# KiCad board MB1635_good_conversion.kicad_pcb (continued)
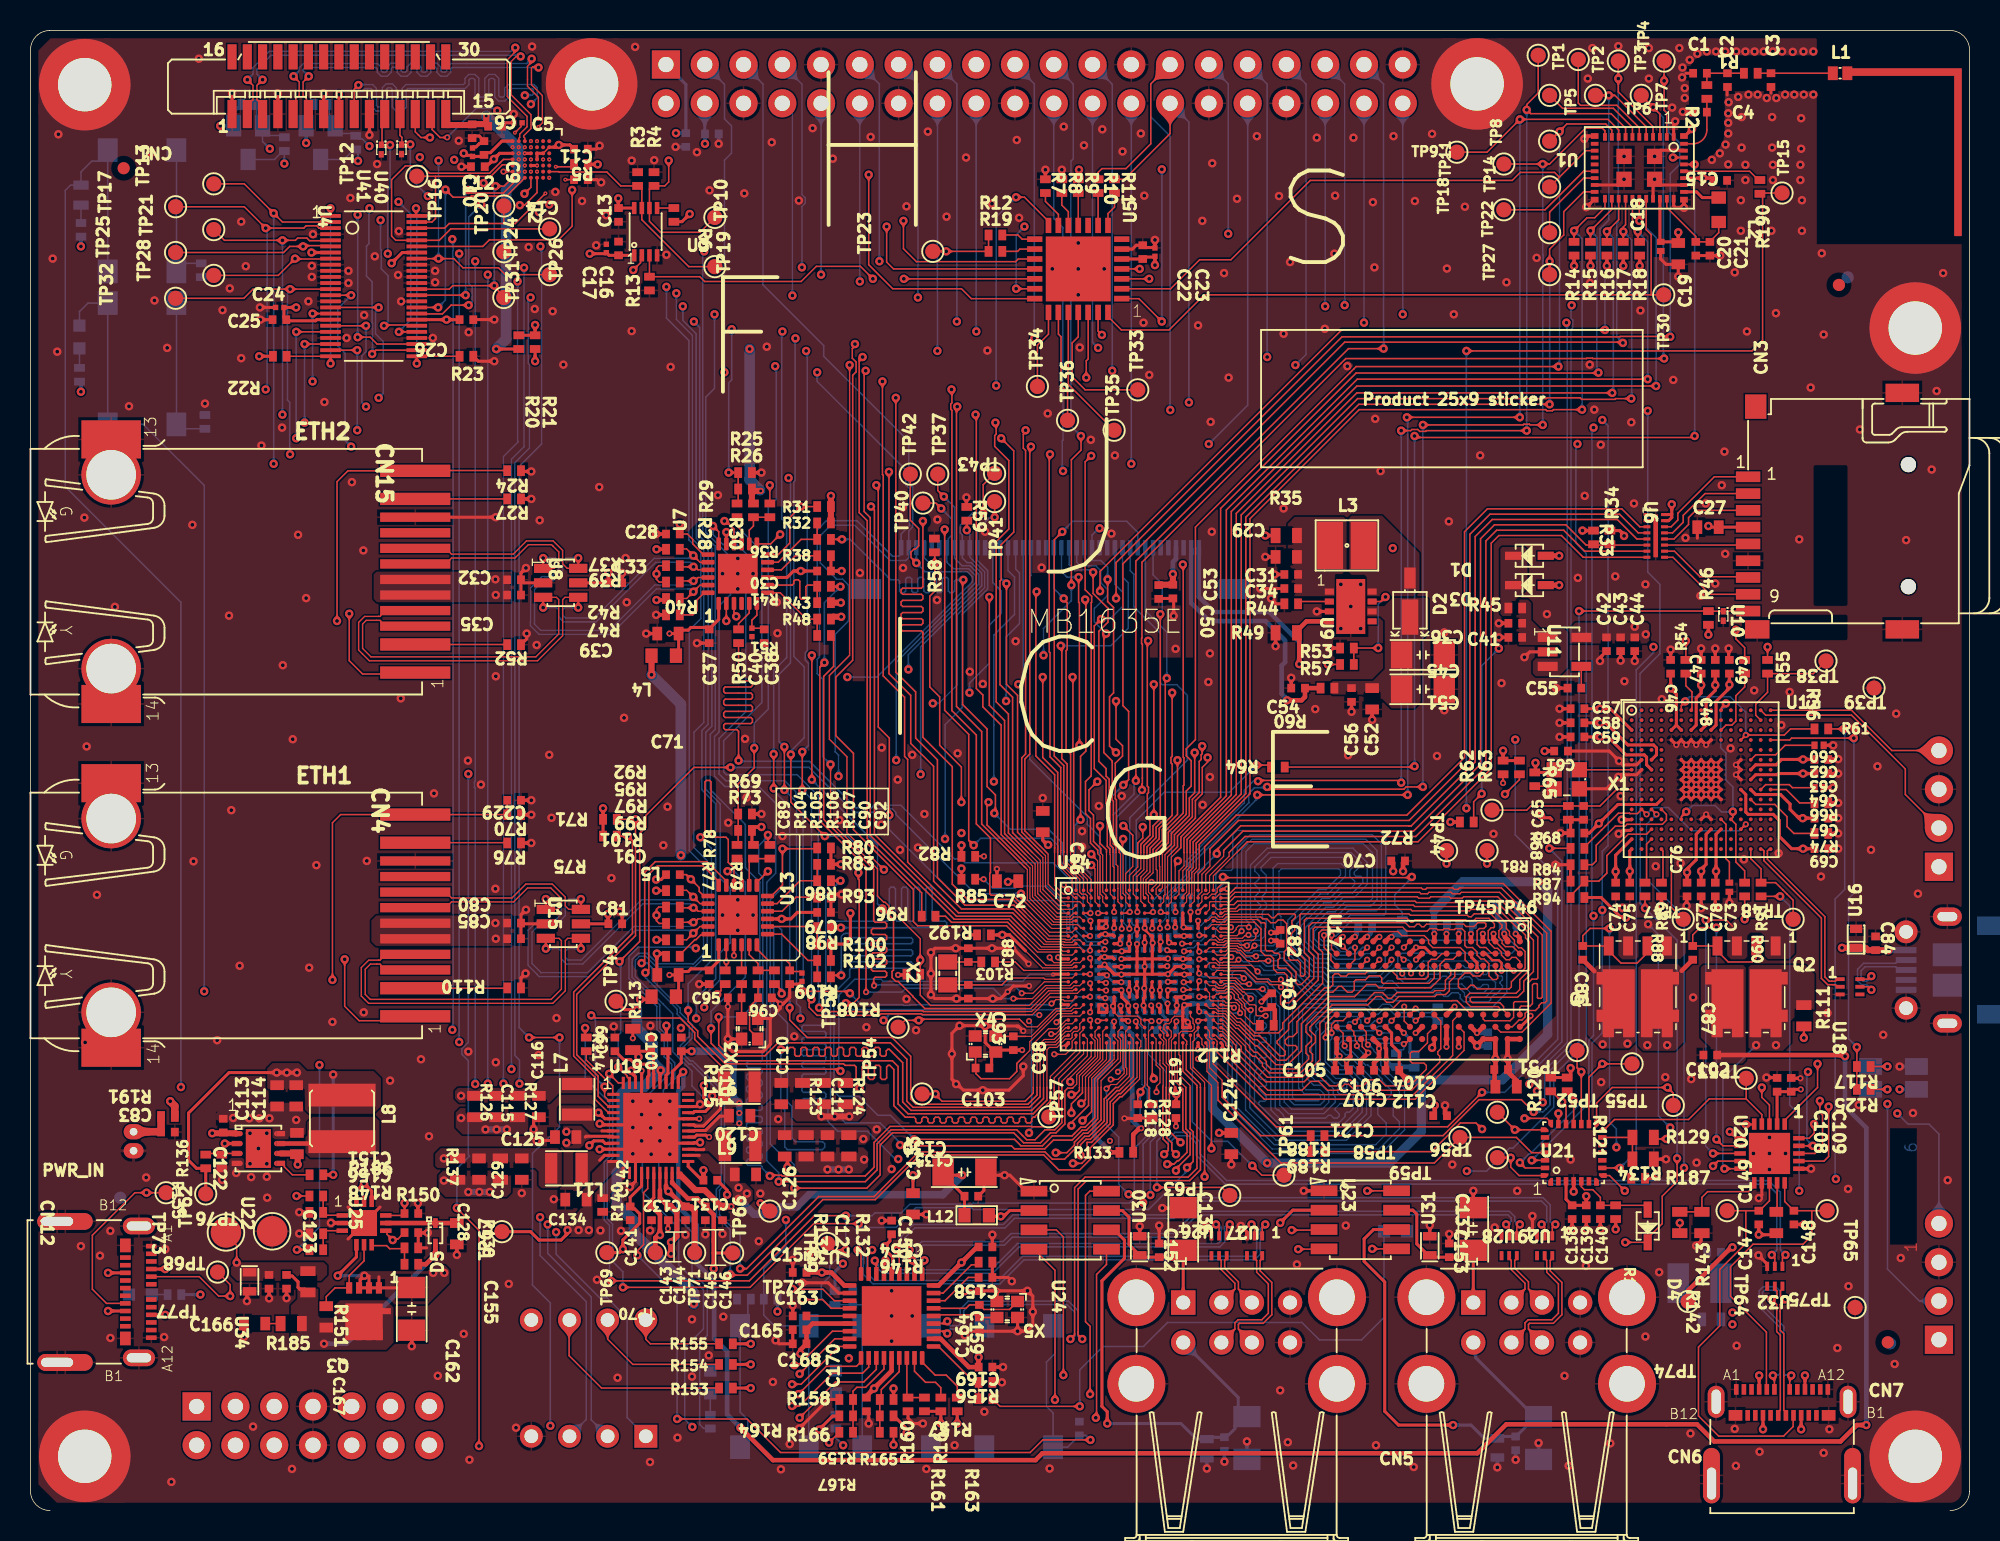
[diagram p0: board, top side]
## Routing (per net, layer and track width the routed paths; a pad name or vN(x,y) marks a point on that pad's centre or on a via; arc(x,y) is an arc through that point) (continued)
USB_D2_N: length 56.1
  Top Layer w0.075: 74.4,27.73 74.4,29.08 74.18,29.3 74.18,30.51 74.22,30.55 74.22,30.75 73.99,30.99 73.99,31.14 U14.Y13
  Top Layer w0.1: v1(75.03,23.35) 74.75,23.62 74.75,24.1 74.41,24.44 74.41,24.75 74.4,24.77 74.4,27.72 ; U32.2 114.25,16.55 v1(114.05,16.75)
  Bottom Layer w0.1: v1(114.05,16.75) 114.39,17.09 114.39,20.77 113.76,21.4 78.25,21.4 76.35,23.3 76.35,24.08 75.88,24.55 75.05,24.55 74.75,24.25 74.75,23.6 75,23.35 v1(75.03,23.35)
USB_D2_P: length 56.2
  Top Layer w0.075: 74.17,27.73 74.17,27.81 74.19,27.84 74.19,28.98 73.97,29.19 73.97,29.49 U14.AA13
  Top Layer w0.1: 74.17,27.73 74.17,24.68 74.18,24.66 74.18,24.34 74.52,24 74.52,23.62 v1(74.25,23.35) ; v1(114.95,16.75) 114.75,16.55 U32.1
  Bottom Layer w0.1: v1(74.25,23.35) 74.28,23.35 74.52,23.6 74.52,24.35 74.95,24.78 75.97,24.78 76.58,24.17 76.58,23.4 78.35,21.63 113.85,21.63 114.61,20.86 114.61,17.09 v1(114.95,16.75)
USB_DCONN_N: length 18.1
  Top Layer w0.1: CN7.A7 115.23,8.85 ; U32.5 114.25,14.53 114.33,14.45 114.33,14.45 114.39,14.38 114.39,14.1 114.15,13.85 v1(114.03,13.85) 114.37,13.5 114.37,11.73 114.61,11.49 114.61,8.74 114.61,6.57 114.47,6.44 CN7.B7
  Bottom Layer w0.1: v1(115.33,8.85) 115.29,8.88 114.96,8.88 114.84,9 114.84,9.23 114.84,12.06 113.45,13.45 113.45,14.3 113.59,14.44 114.21,14.44 114.37,14.27 114.37,14.02 114.29,13.94 114.11,13.94 v1(114.03,13.85)
USB_DCONN_P: length 18.8
  Top Layer w0.1: U32.6 114.75,14.53 114.62,14.4 114.62,14.05 114.83,13.85 v1(114.95,13.85) 114.6,13.5 114.6,13.03 114.6,11.82 114.84,11.59 114.84,8.83 114.84,6.57 114.97,6.44 CN7.B6 ; CN7.A6 114.23,8.85
  Bottom Layer w0.1: v1(114.13,8.85) 114.16,8.88 114.49,8.88 114.61,9 114.61,11.96 113.22,13.35 113.22,14.4 113.49,14.67 114.3,14.67 114.6,14.37 114.6,14.02 114.69,13.94 114.86,13.94 v1(114.95,13.85)
USB_DEV_HS_CN_N: length 6.2
  Top Layer w0.1: v1(120.58,34.13) 120.38,34.33 U18.5
  Bottom Layer w0.1: v1(120.58,34.13) 120.58,34.14 120.24,34.47 119.93,34.47 119.67,34.73 119.67,35.47 120.06,35.87 122.17,35.87 122.23,35.92 122.23,35.93 122.38,36.08 CN10.2
USB_DEV_HS_CN_P: length 5.4
  Top Layer w0.1: v1(120.58,35.03) 120.38,34.83 U18.6
  Bottom Layer w0.1: v1(120.58,35.03) 120.58,35.02 120.26,34.7 120.02,34.7 119.9,34.83 119.9,35.38 120.16,35.64 122.17,35.64 122.23,35.58 122.38,35.43 CN10.3
USB_DEV_HS_N: length 11.6
  Top Layer w0.1: U12.R14 113.35,43.32 113.45,43.32 113.54,43.23 113.53,42.59 117.3,38.82 117.3,34.87 117.71,34.46 118.22,34.46 118.27,34.4 118.27,34.4 118.35,34.33 U18.2
USB_DEV_HS_P: length 11.2
  Top Layer w0.1: U12.R15 113.95,43.32 113.85,43.32 113.77,43.23 113.77,42.69 117.53,38.92 117.53,34.97 117.81,34.69 118.22,34.69 118.27,34.75 118.27,34.75 118.35,34.83 U18.1
USB_PWR_CC1: length 68.6
  Top Layer w0.075: U14.AA4 69.48,29.75 68.13,28.4 68.1,28.38 v1(68.1,28.1)
  Top Layer w0.1: v1(17.44,17.09) R149.2
  Signal Layer 2 w0.09: 65.17,27.98 68.1,27.98 68.1,27.98 v1(68.1,28.1)
  Signal Layer 2 w0.1: 65.17,27.98 62.2,27.98 60.9,26.68 58.97,26.68 58.89,26.75 47.15,26.75 46.3,27.6 44.47,27.6 44.23,27.35 43.52,27.35 41.59,29.28 39.5,29.28 39.23,29.55 38.17,29.55 37.2,28.58 31.75,28.58 31.68,28.5 31.32,28.5 31.25,28.58 24.43,28.58 23.8,29.2 v1(18.93,29.2)
  Bottom Layer w0.1: v1(17.44,17.09) 18.93,18.57 v1(18.93,29.2)
USB_PWR_CC2: length 70.7
  Top Layer w0.075: U14.W9 71.73,31.4 71.73,29.06 71.8,28.99 71.8,28.59 71.13,27.92 70.76,27.92 70.49,27.65 v2(70.47,27.65)
  Top Layer w0.1: v1(17.42,20.61) R144.2
  Signal Layer 2 w0.1: v1(17.42,20.61) 25.61,20.61 28.54,17.68 38.77,17.68 39.22,18.13 39.65,18.13 40.15,17.63 41.4,17.63 41.82,18.05 42.16,18.05 42.44,18.33 42.44,18.34 42.68,18.58 49.75,18.58 51.35,20.18 71.38,20.18 v1(71.93,20.73)
  Bottom Layer w0.1: v2(70.47,27.65) 70.47,25.28 71.27,24.48 71.27,21.38 v1(71.93,20.73)
USBC_EN: length 25.3
  Top Layer w0.1: U20.20 116.5,24.4 116.83,24.73 v1(116.83,25.33) ; TP56.1 v1(97.23,24.95) U21.22
  Signal Layer 2 w0.1: v1(97.23,24.95) 99.67,24.95 100.42,25.7 112.15,25.7 112.17,25.73 112.53,25.73 112.55,25.7 116.45,25.7 v1(116.83,25.33)
USBC_INTn: length 25.8
  Top Layer w0.1: U20.19 v1(116.75,23.9) ; U21.17 v1(101.58,28.75) 101.3,29.03 TP51.1
  Signal Layer 2 w0.1: v1(116.43,28.75) 116.35,28.83 101.65,28.83 v1(101.58,28.75)
  Bottom Layer w0.1: v1(116.43,28.75) 116.35,28.68 116.35,24.3 v1(116.75,23.9)
USBDN1_N: length 43.1
  Top Layer w0.1: v1(96.65,18.75) 96.85,18.55 U28.2 ; v1(58.55,16.4) 58.4,16.25 U33.1
  Bottom Layer w0.1: v1(58.55,16.4) 58.5,16.4 58.27,16.63 58.27,17.19 58.47,17.4 63.8,17.4 64.32,17.92 74.97,17.92 76.43,19.38 96.77,19.38 96.99,19.17 96.99,18.98 96.76,18.75 v1(96.65,18.75)
USBDN1_P: length 43.8
  Top Layer w0.1: v1(97.55,18.75) 97.35,18.55 U28.1 ; v1(57.75,16.4) 57.9,16.25 U33.2
  Bottom Layer w0.1: v1(57.75,16.4) 57.8,16.4 58.03,16.63 58.04,17.29 58.37,17.63 63.7,17.63 64.22,18.15 74.87,18.15 76.33,19.61 96.87,19.61 97.22,19.26 97.22,18.98 97.44,18.75 v1(97.55,18.75)
USBDN2_N: length 48.1
  Top Layer w0.1: v1(57.58,17.08) 57.58,17.03 57.33,16.78 57.33,15.58 U33.3 ; v1(98.98,18.75) 99.18,18.55 U29.2
  Bottom Layer w0.1: v1(57.58,17.08) 57.47,17.08 57.27,17.28 57.27,17.87 57.92,18.52 63.82,18.52 64.45,19.15 74.9,19.15 76.03,20.28 98.97,20.28 99.31,19.94 99.31,18.93 99.25,18.87 99.22,18.87 99.1,18.75 v1(98.98,18.75)
USBDN2_P: length 48.8
  Top Layer w0.1: U29.1 99.68,18.55 v1(99.88,18.75) ; U33.4 56.9,16.85 56.73,17.03 v1(56.73,17.08)
  Bottom Layer w0.1: v1(56.73,17.08) 56.83,17.08 57.03,17.28 57.04,17.96 57.82,18.75 63.72,18.75 64.35,19.38 74.8,19.38 75.93,20.51 99.07,20.51 99.54,20.04 99.54,18.93 99.6,18.87 99.63,18.87 99.75,18.75 v1(99.88,18.75)
USBDN3_N: length 26.7
  Top Layer w0.1: v1(56,16.4) 56,16.35 55.9,16.25 U33.6 ; U26.2 77.85,18.55 v1(77.65,18.75)
  Bottom Layer w0.1: v1(56,16.4) 56,16.35 55.77,16.12 55.77,15.93 55.92,15.78 62.92,15.78 64.65,17.5 77.8,17.5 77.98,17.69 77.99,18.57 77.93,18.63 77.9,18.63 77.77,18.75 v1(77.65,18.75)
USBDN3_P: length 27.4
  Top Layer w0.1: v1(78.55,18.75) 78.35,18.55 U26.1 ; U33.7 55.4,16.25 55.3,16.35 v1(55.3,16.38)
  Bottom Layer w0.1: v1(78.55,18.75) 78.43,18.75 78.3,18.63 78.27,18.63 78.22,18.57 78.21,17.59 77.9,17.27 64.74,17.27 63.02,15.55 55.82,15.55 55.54,15.83 55.53,16.09 55.3,16.33 v1(55.3,16.38)
USBDN4_N: length 32.7
  Top Layer w0.1: v1(79.97,18.75) 80.17,18.55 U27.2 ; v1(55.13,17.08) 54.83,16.78 54.83,15.57 U33.8
  Bottom Layer w0.1: v1(55.13,17.08) 54.77,16.72 54.77,15.59 55.27,15.08 63.4,15.08 64.98,16.66 80.08,16.66 80.31,16.89 80.31,18.42 v1(79.97,18.75)
USBDN4_P: length 33.4
  Top Layer w0.1: U33.9 54.4,16.85 v1(54.17,17.08) ; v1(80.87,18.75) 80.67,18.55 U27.1
  Bottom Layer w0.1: v1(80.87,18.75) 80.54,18.42 80.54,18.13 80.54,16.79 80.18,16.43 65.07,16.43 63.49,14.85 55.18,14.85 54.54,15.49 54.53,16.72 v1(54.17,17.08)
uSD_DETECT: length 60.5
  Top Layer w0.1: v1(98.45,26.13) 97.65,26.93 94.87,26.93 92.52,24.57 R188.1 ; CN3.9 110.89,58.95 U10.1 109.91,58.94 R46.2 v1(101.43,58.95)
  Bottom Layer w0.1: v1(98.45,26.13) 99.07,26.13 99.25,26.3 99.25,26.3 99.52,26.58 99.52,28.83 101.43,30.73 v1(101.43,58.95)
VREF_DDR: length 117.8
  Top Layer w0.15: 89.65,28.75 89.65,28.85
  Top Layer w0.175: 76.47,32.84 76.55,32.76 v2(76.55,32.7)
  Top Layer w0.2: v1(38.8,17.13) 38.8,17.13 ; 38.8,17.13 38.57,16.9 TP69.1 ; 38.8,17.13 38.8,17.73 39.9,18.83 39.9,19.44 39.57,19.77 39.43,19.77 C141.2 39.28,20.53 40.03,21.28 U19.16 ; 89.65,28.85 89.65,30.02 89.15,30.52 89.15,31.3 88.75,31.7 ; 76.47,32.84 U14.T18
  Top Layer w0.3: 89.65,28.75 90.17,28.22 ; 91.94,37.26 91.94,37.77
  Signal Layer 4 w0.7: v1(81,22.78) 81,22.48 79.67,21.15 77.58,21.15 74.06,17.63 70.35,17.63 67.48,20.5 52.65,20.5 50.4,18.25 48.92,18.25 47.97,19.2 45.43,19.2 44.52,20.11 40.81,20.11 39.58,18.87 39.58,18.2 38.8,17.42 v1(38.8,17.13)
  Bottom Layer w0.3: C180.1 91.93,38.35 91.93,37.81 v2(91.94,37.79) ; v2(76.55,32.7) 76.9,32.7 C210.1
  Bottom Layer w0.4: 91.93,39.33 91.93,38.45 C180.1 ; 77.25,30.3 C210.1
  Bottom Layer w0.6: 91.1,28.22 96.4,28.22 99.37,31.2 99.37,40.63 v1(98.79,41.21) 93.81,41.21 91.93,39.33 ; 91.1,28.22 91.1,24.85 89.02,22.77 v1(81,22.77) 77.43,26.34 77.43,30.12 77.25,30.3 ; 91.1,28.22 90.2,28.22 v1(90.15,28.28)
WL_HOST_WAKE: length 70.1
  Top Layer w0.075: 75.75,43.13 75.75,42.21 75.47,41.93 U14.A16
  Top Layer w0.1: v1(105.37,84.53) U1.27 ; v1(106.48,73.7) 86.87,73.7 78.65,65.48 78.65,46.88 75.75,43.98 75.75,43.13
  Bottom Layer w0.1: v1(106.48,73.7) 106.48,83.43 v1(105.38,84.53)

## Copper pours and planes (outline as drawn; the poured copper is in the pictures)
1V8_PERIPH on Signal Layer 4: 40.2,86.8 39.12,85.71 37.81,85.71 36.92,86.58 28.98,86.58 28.25,85.85 28.25,78.13 27.7,77.58 26.9,77.58 26.9,77.75 23.1,81.55 23.1,85.38 23,85.38 21.8,86.58 16.59,86.58 15.81,85.8 15.81,75.47 9.6,69.26 9.6,14.12 11.69,12.03 42.93,12.03 44.3,13.4 44.3,15.75 44.65,16.1 46.33,16.1 46.7,15.73 46.7,-1.17 2.44,-1.18 -1.32,2.6 -1.33,95.65 0.48,97.45 39.82,97.45 40.18,97.03 40.2,97
3V3_AO on Top Layer: 15.5,28.98 15.85,29.33 17.58,29.32 18.1,28.8 22.47,28.8 22.95,28.33 22.95,26.5 22.45,26 18.25,26 17.98,26.27 17.98,27.1 17.65,27.43 15.73,27.43 15.5,27.65
3V3_AO on Signal Layer 3: 70.67,87.38 71.72,86.33 71.71,82.49 72.9,81.3 74.22,81.3 75.63,82.7 107.97,82.7 108.47,83.2 108.47,84.4 107.75,85.13 107.75,97.9 -1.55,97.9 -1.55,30.4 1.95,26.9 17.63,26.9 24.3,33.58 38.8,33.58 41.27,31.1 46.99,31.1 49.08,33.23 54.75,38.9 54.75,41.35 50.78,45.33 19.93,45.3 15.52,49.7 15.52,72.23 18.57,75.27 18.57,75.47 31.79,75.47 37.63,81.3 37.63,84.35 37.58,84.4 40.56,87.38
3V3_STLK on Top Layer: 105.87,58.2 106.03,58.05 106.02,57 105.85,56.83 100.85,56.83 100.75,56.93 100.75,57.75 101.2,58.2
3V3_STLK on Signal Layer 4: 97.8,43.71 100.97,40.55 100.97,38.73 101.76,37.94 117.84,37.94 120.75,35.02 120.75,28.08 121.97,26.85 127.23,26.85 127.3,26.93 127.3,58.77 104.52,58.78 97.8,52.05
3V3_SW on Signal Layer 3: 40.83,67.55 40.48,67.2 40.48,54.6 40.82,54.25 49.23,54.25 53.5,58.53 53.5,66.28 52.22,67.55
3V3_SW on Signal Layer 4: 52.98,17.4 60.57,17.4 62.52,15.45 62.52,7 60.25,4.73 51.73,4.73 49.77,6.67 49.78,14.2
5V_VIN on Bottom Layer (solid shape): 44.06,90.76 44.05,90.81 44.04,90.88 44.01,90.95 43.97,91.02 43.92,91.1 43.86,91.18 43.71,91.37 43.62,91.46 43.51,91.57 44.81,91.57 44.7,91.46 44.46,91.18 44.4,91.1 44.35,91.02 44.31,90.95 44.28,90.88 44.27,90.81 44.26,90.76
5V_VIN on Top Layer: 36.05,20.9 36.05,19.81 35.15,18.7 34.95,18.7 34.95,17.93 36.67,17.92 36.82,18.08 36.83,20.83 38.58,22.58 38.57,22.98 37.65,22.97 36.78,22.1 36.78,21.58
5V_VIN on Top Layer: 21.19,15.21 21.67,15.69 25.99,15.69 26.37,16.06 27.14,16.06 27.44,15.76 27.44,14.94 26.02,13.51 23.84,13.51 23.39,13.96 21.34,13.96 21.19,14.11
5V_VIN on Top Layer: 46.07,20 46.95,20 47.3,20.35 47.3,20.98 46.62,21.65 46.62,22.72 45.05,22.72 44.37,23.4 43.52,23.4 43.5,23.37 43.5,23.18 43.52,23.15 43.65,23.15 44.76,21.98 45.3,21.97 45.35,21.93 45.35,21.66 45.6,21.4 45.95,21.05 45.95,20.12
5V_VIN on Top Layer: 46.55,27.02 46.62,26.95 46.62,25.3 46.55,25.22 45.02,25.22 44.55,24.75 43.53,24.75 43.5,24.78 43.5,24.98 43.52,25 43.98,25 45.99,27.02
5V_VIN on Top Layer: 105,35.73 105.15,35.58 105.15,30.75 104.68,30.28 102.87,30.28 101.97,31.18 101.97,35.1 102.6,35.73
5V_VIN on Top Layer: 36.97,24.58 36.7,24.58 36.02,25.25 34.97,25.25 34.88,25.15 34.88,23.9 35.05,23.73 36,23.73 36.65,24.38 36.97,24.38
5V_VIN on Bottom Layer: 26.07,15.83 26.07,14.77 26.26,14.58 27.06,14.58 27.41,14.93 27.41,15.86 27.23,16.04 26.28,16.04
5V_VIN on Signal Layer 4: 125.9,99.48 128.97,96.4 128.97,3.83 121.92,-3.22 -0.85,-3.22 -2.52,-1.55 -2.53,99.48
GND on Top Layer: 126.78,5 124.9,6.88 121.55,6.88 120.23,5.55 120.23,1.85 122.03,0.05 125.65,0.05 126.78,1.18
GND on Top Layer: 6.82,94.9 4.95,96.78 1.6,96.78 0.27,95.45 0.27,91.75 2.07,89.95 5.7,89.95 6.82,91.08
GND on Top Layer: 126.78,78.95 124.9,80.83 121.55,80.83 120.23,79.5 120.23,75.8 121.85,74.18 125.83,74.18 126.78,75.13
GND on Top Layer: 13.73,25.02 13.52,25.23 12.3,25.23 12.15,25.38 12.15,26.02 12.35,26.23 13.48,26.23 14.57,27.32 17.61,27.32 17.98,26.95 17.98,26.27 18,26.27 18.47,25.8 18.13,25.45 18.13,24.58 17.88,24.33 16.2,24.33 16.12,24.25 16.13,21.95 15.57,21.4 12.45,21.4 12.05,21.8 12.05,22.77 12.25,22.97 12.99,22.97 13.14,23.12 13.64,23.12 13.73,23.2
GND on Top Layer: 6.88,5.05 5,6.93 1.65,6.93 0.32,5.6 0.32,1.9 2.12,0.1 5.75,0.1 6.88,1.23
GND on Top Layer: 1.7,97.83 127.43,97.83 127.88,97.38 127.88,1.15 123.98,-2.75 0.6,-2.75 -3.5,1.35 -3.5,97.54
GND on Top Layer: 40.02,94.95 38.15,96.83 34.8,96.83 33.47,95.5 33.47,91.8 35.27,90 38.9,90 40.02,91.13
GND on Top Layer: 98.02,94.95 96.15,96.83 92.8,96.83 91.47,95.5 91.47,91.8 93.27,90 96.9,90 98.02,91.13
GND on Bottom Layer: 4.95,6.83 6.82,4.95 6.82,1.6 5.5,0.28 1.8,0.28 0,2.07 0,5.7 1.12,6.83
GND on Bottom Layer: 1.7,97.83 127.43,97.83 127.88,97.38 127.88,1.15 123.85,-2.88 2.45,-2.87 -3.63,3.2 -3.62,97.53
GND on Bottom Layer: 120.18,5 122.05,6.88 125.4,6.88 126.73,5.55 126.73,1.85 124.93,0.05 121.3,0.05 120.18,1.18
GND on Bottom Layer: 120.13,79 122,80.88 125.35,80.88 126.68,79.55 126.68,75.85 124.88,74.05 121.25,74.05 120.13,75.18
GND on Bottom Layer: 91.48,94.95 93.35,96.83 96.7,96.83 98.03,95.5 98.03,91.8 96.23,90 92.6,90 91.48,91.13
GND on Bottom Layer: 5.05,96.68 6.92,94.8 6.92,91.45 5.6,90.13 1.9,90.13 0.1,91.93 0.1,95.55 1.22,96.68
GND on Bottom Layer: 33.48,94.95 35.35,96.83 38.7,96.83 40.03,95.5 40.03,91.8 38.23,90 34.6,90 33.48,91.13
GND on Signal Layer 1: 1.33,98.68 127.05,98.68 127.5,98.23 127.5,2 122.97,-2.53 1.37,-2.53 -5.2,4.05 -5.2,98.31
GND on Signal Layer 2: 1.22,98.5 126.95,98.5 127.4,98.05 127.4,1.83 123.9,-1.68 -4,-1.68 -4,98.21
VDD on Signal Layer 3 (solid shape): 27.09,5.71 27.05,5.74 26.99,5.78 26.92,5.81 26.84,5.83 26.75,5.85 26.65,5.87 26.41,5.89 26.28,5.89 26.13,5.9 27.04,6.81 27.05,6.66 27.07,6.29 27.09,6.19 27.11,6.1 27.13,6.02 27.16,5.95 27.2,5.89 27.23,5.85
VDD on Top Layer: 49.87,25.8 50.17,25.5 54.18,25.5 54.62,25.95 54.62,26.93 54.33,27.23 49.97,27.23 49.87,27.13
VDD on Signal Layer 3: 125.9,99.48 128.97,96.4 128.97,3.83 121.92,-3.22 0.37,-3.22 -3.75,0.9 -3.75,99.48
VDD on Signal Layer 4: 70.58,28.63 71.67,29.72 71.67,32.8 72.24,33.36 73.44,33.36 73.65,33.58 73.65,34.23 73.12,34.23 73.03,34.32 72.28,34.32 71.76,34.84 71.39,34.93 71.36,34.96 71.36,36.36 71.94,36.36 72.42,36.85 73.29,36.85 73.56,37.13 74.43,37.13 74.72,37.42 74.72,38.47 72.9,38.47 72.9,37.87 70.95,37.87 70.62,37.55 70.63,35.83 70.4,35.6 36.65,35.6 35.68,36.57 35.68,36.67 30.13,36.67 30.1,36.7 29.78,36.38 29.77,27.7 31.75,25.73 45.15,25.73 45.35,25.93 45.35,26.72 46.03,27.4 46.87,27.4 47.5,26.77 47.5,25.92 50.12,25.92 51.07,24.98 54.65,24.98 55.6,25.92 64.22,25.92 66.78,28.47 66.78,28.63
VDD_CORE on Signal Layer 3 (solid shape): 22.15,7.79 22.12,7.75 22.08,7.69 22.05,7.62 22.03,7.54 22.01,7.45 21.99,7.35 21.97,7.11 21.97,6.98 21.96,6.83 21.05,7.74 21.2,7.75 21.57,7.77 21.67,7.79 21.76,7.81 21.84,7.83 21.91,7.86 21.97,7.9 22.01,7.93
VDD_CORE on Top Layer: 50.1,22.38 50.4,22.08 54.4,22.08 54.85,22.53 54.85,23.5 54.55,23.8 50.2,23.8 50.1,23.7
VDD_CORE on Signal Layer 4: 73.72,34.16 73.72,33.57 73.48,33.33 72.05,33.33 71.6,32.87 71.6,29.65 70.58,28.63 66.78,28.63 66.78,28.55 63.92,25.7 55.32,25.7 54.33,24.7 52.05,24.7 51.45,24.1 51.45,21.1 52.33,20.23 70.8,20.22 71.64,20.23 72.6,19.27 73.31,19.27 75.2,21.16 77.73,21.16 79.37,22.8 79.37,23.63 77.1,25.9 77.1,29.33 75.81,30.61 75.83,31.64 74.73,32.75 74.73,33.41 75.19,33.78 75.19,36.48 74.78,36.9 74.78,36.93 74.18,36.93 74.08,36.83 73.43,36.83 73.29,36.96 73.26,36.96 73.26,37.32 73.12,37.46 72.83,37.46 72.59,37.22 72.59,36.89 72.42,36.89 71.88,36.35 71.88,35.88 71.84,35.84 71.23,35.84 71.23,35.41 71.59,35.41 71.76,35.25 71.76,34.84 72.27,34.32 72.27,34.1 72.65,34.1 72.67,34.12 72.67,34.34 73.66,34.34 73.72,34.28
VDD_CPU on Signal Layer 3 (solid shape): 9.77,5.85 9.8,5.89 9.84,5.95 9.87,6.02 9.89,6.1 9.91,6.19 9.93,6.29 9.95,6.53 9.95,6.66 9.96,6.81 10.87,5.9 10.72,5.89 10.35,5.87 10.25,5.85 10.16,5.83 10.08,5.81 10.01,5.78 9.95,5.74 9.91,5.71
VDD_CPU on Top Layer: 32.6,24.95 32.3,24.65 28.3,24.65 27.85,25.1 27.85,26.08 28.15,26.38 32.5,26.38 32.6,26.28
VDD_CPU on Signal Layer 4: 70.75,47.43 30.97,47.42 24.78,41.23 24.77,27.28 27.87,24.18 31.16,24.18 31.65,24.68 31.65,25.68 29.65,27.68 29.65,38.9 29.92,39.18 32.95,39.18 36.35,35.78 36.35,35.73 69.99,35.73 70.55,36.08 70.55,37.52 70.95,37.93 72.66,37.93 72.81,38.08 72.81,38.45 74.47,38.45 74.67,38.66 74.67,43.5
VDD_DDR on Top Layer: 31.47,20.85 31.17,20.55 27.17,20.55 26.72,21 26.72,21.98 27.02,22.28 31.38,22.28 31.47,22.18
VDD_DDR on Signal Layer 4: 74.73,53 82.68,45.05 88.03,45.05 89.68,43.4 89.68,38.13 98.47,38.13 98.48,29.35 92.36,29.35 92.36,22.84 79.35,22.84 74.81,28.45 74.81,43.37 70.85,47.33 30.8,47.32 24.65,41.18 24.65,27.3 30.38,21.57 30.38,20.63 30.08,20.33 25.23,20.33 18.42,27.12 18.43,46.33 25.1,53
VDD_LS on Signal Layer 3: 43.1,87.28 43.46,86.92 43.46,84.56 43.05,84.15 38.34,84.15 37.5,83.31 37.5,81.18 31.9,75.58 18.57,75.57 17.21,76.94 17.21,79.06 17.65,79.5 17.65,82.13 18.73,83.2 22.7,83.2 23.23,82.67 23.23,81.22 26.82,77.63 27.65,77.63 28.3,78.28 28.3,85.75 29.03,86.48 38.2,86.48 39,87.28
DFSDM1_CKOUT on Bottom Layer (solid shape): 57.87,93.69 57.83,93.72 57.78,93.75 57.72,93.77 57.64,93.79 57.54,93.81 57.43,93.82 57.18,93.84 56.87,93.85 57.78,94.76 57.78,94.6 57.82,94.09 57.84,93.99 57.86,93.91 57.88,93.85 57.91,93.8 57.94,93.76
DFSDM1_DATIN3 on Bottom Layer (solid shape): 60.41,93.69 60.37,93.72 60.32,93.75 60.25,93.77 60.17,93.79 60.08,93.81 59.97,93.82 59.72,93.84 59.41,93.85 60.32,94.76 60.33,94.6 60.36,94.09 60.38,94 60.4,93.92 60.42,93.85 60.45,93.8 60.48,93.76
EXP_GPIO2 on Bottom Layer (solid shape): 45.17,93.69 45.13,93.72 45.08,93.75 45.01,93.77 44.93,93.79 44.84,93.81 44.73,93.82 44.48,93.84 44.17,93.85 45.08,94.76 45.09,94.6 45.12,94.09 45.14,94 45.16,93.92 45.18,93.85 45.21,93.8 45.24,93.76
EXP_GPIO2 on Signal Layer 2 (solid shape): 43.08,93.76 43.11,93.8 43.14,93.85 43.16,93.92 43.18,94 43.2,94.09 43.21,94.2 43.23,94.45 43.24,94.76 44.15,93.85 43.99,93.84 43.48,93.81 43.39,93.79 43.31,93.77 43.24,93.75 43.19,93.72 43.15,93.69
EXP_GPIO3 on Bottom Layer (solid shape): 47.71,93.69 47.67,93.72 47.62,93.75 47.55,93.77 47.47,93.79 47.38,93.81 47.27,93.82 47.02,93.84 46.71,93.85 47.62,94.76 47.63,94.6 47.66,94.09 47.68,94 47.7,93.92 47.72,93.85 47.75,93.8 47.78,93.76
EXP_GPIO3 on Signal Layer 2 (solid shape): 45.62,93.76 45.65,93.8 45.68,93.85 45.7,93.92 45.72,94 45.74,94.09 45.75,94.2 45.77,94.45 45.78,94.76 46.69,93.85 46.53,93.84 46.02,93.81 45.93,93.79 45.85,93.77 45.78,93.75 45.73,93.72 45.69,93.69
EXP_GPIO4 on Bottom Layer (solid shape): 50.25,93.69 50.21,93.72 50.16,93.75 50.1,93.77 50.02,93.79 49.92,93.81 49.81,93.82 49.56,93.84 49.25,93.85 50.16,94.76 50.16,94.6 50.2,94.09 50.22,93.99 50.24,93.91 50.26,93.85 50.29,93.8 50.32,93.76
EXP_GPIO5 on Bottom Layer (solid shape): 78.19,93.69 78.15,93.72 78.1,93.75 78.03,93.77 77.95,93.79 77.86,93.81 77.75,93.82 77.5,93.84 77.19,93.85 78.1,94.76 78.11,94.6 78.14,94.09 78.16,94 78.18,93.92 78.2,93.85 78.23,93.8 78.26,93.76
EXP_GPIO6 on Bottom Layer (solid shape): 80.73,93.69 80.69,93.72 80.64,93.75 80.57,93.77 80.49,93.79 80.4,93.81 80.29,93.82 80.04,93.84 79.73,93.85 80.64,94.76 80.65,94.6 80.68,94.09 80.7,94 80.72,93.92 80.74,93.85 80.77,93.8 80.8,93.76
EXP_GPIO7 on Bottom Layer (solid shape): 72.05,90.75 72.04,90.8 72.03,90.86 72,90.92 71.95,90.99 71.9,91.07 71.83,91.16 71.67,91.35 71.45,91.57 72.75,91.57 72.63,91.46 72.3,91.07 72.25,90.99 72.2,90.92 72.17,90.86 72.16,90.8 72.15,90.75
EXP_GPIO8 on Bottom Layer (solid shape): 69.51,90.75 69.5,90.8 69.49,90.86 69.46,90.92 69.41,90.99 69.36,91.07 69.29,91.16 69.13,91.35 68.91,91.57 70.21,91.57 70.09,91.46 69.76,91.07 69.71,90.99 69.66,90.92 69.63,90.86 69.62,90.8 69.61,90.75
EXP_GPIO9 on Bottom Layer (solid shape): 68.03,93.69 67.99,93.72 67.94,93.75 67.87,93.77 67.79,93.79 67.7,93.81 67.59,93.82 67.34,93.84 67.03,93.85 67.94,94.76 67.95,94.6 67.98,94.09 68,94 68.02,93.92 68.04,93.85 68.07,93.8 68.1,93.76
EXP_GPIO10 on Bottom Layer (solid shape): 65.49,93.69 65.45,93.72 65.4,93.75 65.33,93.77 65.25,93.79 65.16,93.81 65.05,93.82 64.8,93.84 64.49,93.85 65.4,94.76 65.41,94.6 65.44,94.09 65.46,94 65.48,93.92 65.5,93.85 65.53,93.8 65.56,93.76
EXP_GPIO11 on Bottom Layer (solid shape): 70.57,93.69 70.53,93.72 70.48,93.75 70.41,93.77 70.33,93.79 70.24,93.81 70.13,93.82 69.88,93.84 69.57,93.85 70.48,94.76 70.49,94.6 70.52,94.09 70.54,94 70.56,93.92 70.58,93.85 70.61,93.8 70.64,93.76
EXP_GPIO12 on Bottom Layer (solid shape): 79.67,90.75 79.66,90.8 79.65,90.86 79.62,90.92 79.57,90.99 79.52,91.07 79.45,91.16 79.29,91.35 79.07,91.57 80.37,91.57 80.25,91.46 79.92,91.07 79.87,90.99 79.82,90.92 79.79,90.86 79.78,90.8 79.77,90.75
EXP_GPIO13 on Bottom Layer (solid shape): 83.27,93.69 83.23,93.72 83.18,93.75 83.12,93.77 83.04,93.79 82.94,93.81 82.83,93.82 82.58,93.84 82.27,93.85 83.18,94.76 83.18,94.6 83.22,94.09 83.24,93.99 83.26,93.91 83.28,93.85 83.31,93.8 83.34,93.76
EXP_GPIO15 on Bottom Layer (solid shape): 51.73,90.75 51.72,90.8 51.71,90.86 51.68,90.92 51.63,90.99 51.58,91.07 51.51,91.16 51.35,91.35 51.13,91.57 52.43,91.57 52.31,91.46 51.98,91.07 51.93,90.99 51.88,90.92 51.85,90.86 51.84,90.8 51.83,90.75
EXP_GPIO16 on Bottom Layer (solid shape): 84.75,90.75 84.74,90.8 84.73,90.86 84.7,90.92 84.65,90.99 84.6,91.07 84.53,91.16 84.37,91.35 84.15,91.57 85.45,91.57 85.33,91.46 85,91.07 84.95,90.99 84.9,90.92 84.87,90.86 84.86,90.8 84.85,90.75
EXP_GPIO17 on Bottom Layer (solid shape): 55.33,93.69 55.29,93.72 55.24,93.75 55.17,93.77 55.09,93.79 55,93.81 54.89,93.82 54.64,93.84 54.33,93.85 55.24,94.76 55.25,94.6 55.28,94.09 55.3,94 55.32,93.92 55.34,93.85 55.37,93.8 55.4,93.76
EXP_GPIO18 on Bottom Layer (solid shape): 54.28,90.75 54.27,90.8 54.25,90.86 54.22,90.92 54.18,90.99 54.12,91.07 54.06,91.16 53.89,91.35 53.67,91.57 54.97,91.57 54.85,91.45 54.52,91.07 54.46,90.99 54.42,90.92 54.39,90.86 54.37,90.8 54.37,90.75
EXP_GPIO19 on Bottom Layer (solid shape): 85.81,93.69 85.77,93.72 85.72,93.75 85.66,93.77 85.58,93.79 85.48,93.81 85.37,93.82 85.12,93.84 84.81,93.85 85.72,94.76 85.72,94.6 85.76,94.09 85.78,93.99 85.8,93.91 85.82,93.85 85.85,93.8 85.88,93.76
EXP_GPIO20 on Bottom Layer (solid shape): 87.3,90.75 87.29,90.8 87.27,90.86 87.24,90.92 87.2,90.99 87.14,91.07 87.08,91.16 86.91,91.35 86.69,91.57 87.99,91.57 87.87,91.45 87.54,91.07 87.48,90.99 87.44,90.92 87.41,90.86 87.39,90.8 87.39,90.75
EXP_GPIO21 on Bottom Layer (solid shape): 89.83,90.75 89.82,90.8 89.81,90.86 89.78,90.92 89.73,90.99 89.68,91.07 89.61,91.16 89.45,91.35 89.23,91.57 90.53,91.57 90.41,91.46 90.08,91.07 90.03,90.99 89.98,90.92 89.95,90.86 89.94,90.8 89.93,90.75
EXP_GPIO23 on Bottom Layer (solid shape): 59.35,90.75 59.34,90.8 59.33,90.86 59.3,90.92 59.25,90.99 59.2,91.07 59.13,91.16 58.97,91.35 58.75,91.57 60.05,91.57 59.93,91.46 59.6,91.07 59.55,90.99 59.5,90.92 59.47,90.86 59.46,90.8 59.45,90.75
EXP_GPIO24 on Bottom Layer (solid shape): 61.89,90.75 61.88,90.8 61.87,90.86 61.84,90.92 61.79,90.99 61.74,91.07 61.67,91.16 61.51,91.35 61.29,91.57 62.59,91.57 62.47,91.46 62.14,91.07 62.09,90.99 62.04,90.92 62.01,90.86 62,90.8 61.99,90.75
EXP_GPIO25 on Bottom Layer (solid shape): 66.97,90.75 66.96,90.8 66.95,90.86 66.92,90.92 66.87,90.99 66.82,91.07 66.75,91.16 66.59,91.35 66.37,91.57 67.67,91.57 67.55,91.46 67.22,91.07 67.17,90.99 67.12,90.92 67.09,90.86 67.08,90.8 67.07,90.75
EXP_GPIO26 on Bottom Layer (solid shape): 88.35,93.69 88.31,93.72 88.26,93.75 88.19,93.77 88.11,93.79 88.02,93.81 87.91,93.82 87.66,93.84 87.35,93.85 88.26,94.76 88.27,94.6 88.3,94.09 88.32,94 88.34,93.92 88.36,93.85 88.39,93.8 88.42,93.76
I2C1_SCL on Top Layer (solid shape): 74.59,90.75 74.58,90.8 74.57,90.86 74.54,90.92 74.49,90.99 74.44,91.07 74.37,91.16 74.21,91.35 73.99,91.57 75.29,91.57 75.17,91.46 74.84,91.07 74.79,90.99 74.74,90.92 74.71,90.86 74.7,90.8 74.69,90.75
I2C1_SCL on Bottom Layer (solid shape): 75.65,91.15 75.61,91.18 75.56,91.21 75.49,91.23 75.41,91.25 75.32,91.27 75.21,91.28 74.96,91.3 74.65,91.31 75.56,92.22 75.57,92.06 75.6,91.55 75.62,91.46 75.64,91.38 75.66,91.31 75.69,91.26 75.72,91.22
I2C1_SDA on Top Layer (solid shape): 73.56,93.76 73.59,93.8 73.62,93.85 73.64,93.92 73.66,94 73.68,94.09 73.69,94.2 73.71,94.45 73.72,94.76 74.63,93.85 74.47,93.84 73.96,93.81 73.87,93.79 73.79,93.77 73.72,93.75 73.67,93.72 73.63,93.69
I2C1_SDA on Bottom Layer (solid shape): 73.56,93.76 73.59,93.8 73.62,93.85 73.64,93.92 73.66,94 73.68,94.09 73.69,94.2 73.71,94.45 73.72,94.76 74.63,93.85 74.47,93.84 73.96,93.81 73.87,93.79 73.79,93.77 73.72,93.75 73.67,93.72 73.63,93.69
I_SENSE_VDD on Signal Layer 3 (solid shape): 27.23,5.25 27.2,5.21 27.16,5.15 27.13,5.08 27.11,5 27.09,4.91 27.07,4.81 27.05,4.57 27.05,4.44 27.04,4.29 26.13,5.2 26.28,5.21 26.65,5.23 26.75,5.25 26.84,5.27 26.92,5.29 26.99,5.32 27.05,5.36 27.09,5.39
I_SENSE_VDD on Top Layer: 53.58,28.85 54.6,27.83 54.6,27.6 54.4,27.4 48.83,27.4 48.02,26.6 46.9,26.6 46.78,26.73 46.78,28.75 46.88,28.85
I_SENSE_VDD CPU on Signal Layer 3 (solid shape): 9.91,5.39 9.95,5.36 10.01,5.32 10.08,5.29 10.16,5.27 10.25,5.25 10.35,5.23 10.59,5.21 10.72,5.21 10.87,5.2 9.96,4.29 9.95,4.44 9.93,4.81 9.91,4.91 9.89,5 9.87,5.08 9.84,5.15 9.8,5.21 9.77,5.25
I_SENSE_VDD CPU on Top Layer: 36.63,28.5 36.88,28.25 36.88,27.48 36.75,27.35 34.62,27.35 34,26.73 28.07,26.73 27.8,27 27.8,27.5 28,27.7 32.78,27.7 33.58,28.5
I_SENSE_VDD_CORE on Signal Layer 3 (solid shape): 22.15,5.25 22.12,5.21 22.08,5.15 22.05,5.08 22.03,5 22.01,4.91 21.99,4.81 21.97,4.57 21.97,4.44 21.96,4.29 21.05,5.2 21.2,5.21 21.57,5.23 21.67,5.25 21.76,5.27 21.84,5.29 21.91,5.32 21.97,5.36 22.01,5.39
I_SENSE_VDD_CORE on Top Layer: 46.65,24.8 46.97,25.13 54.75,25.13 54.97,24.9 54.97,24.3 54.65,23.98 48.68,23.98 48.18,23.48 48.18,22.88 48.05,22.75 46.93,22.75 46.65,23.03
I_SENSE_VDD_DDR on Signal Layer 3 (solid shape): 12.45,5.39 12.49,5.36 12.55,5.32 12.62,5.29 12.7,5.27 12.79,5.25 12.89,5.23 13.13,5.21 13.26,5.21 13.41,5.2 12.5,4.29 12.49,4.44 12.47,4.81 12.45,4.91 12.43,5 12.41,5.08 12.38,5.15 12.34,5.21 12.31,5.25
I_SENSE_VDD_DDR on Top Layer: 34.8,23.48 34.52,23.75 26.88,23.75 26.5,23.38 26.5,22.6 26.65,22.45 33.05,22.45 33.27,22.23 33.27,21.33 33.47,21.13 34.52,21.13 34.8,21.4
I_SENSE_VDD_USB on Signal Layer 3 (solid shape): 17.06,5.27 17.02,5.22 16.99,5.17 16.96,5.1 16.94,5.02 16.92,4.93 16.9,4.83 16.89,4.71 16.88,4.46 16.88,4.31 15.95,5.2 16.1,5.21 16.48,5.24 16.58,5.26 16.67,5.28 16.75,5.31 16.82,5.34 16.87,5.37 16.92,5.41
NetC28_2 on Top Layer: 22.65,61.53 22.47,61.35 22.47,59.75 22.69,59.53 31.6,59.53 31.68,59.61 31.68,61.38 31.53,61.53
NetC28_2 on Signal Layer 4: 30.13,61.58 36.6,61.58 39.82,64.81 43.13,64.81 43.72,64.21 43.72,63.36 43.2,62.83 43.2,57.88 42.47,57.16 40.02,57.16 39.22,57.95 36.93,57.95 30.38,57.95 29.85,58.47 29.85,61.31
NetC36_1 on Top Layer: 97.33,56.83 97.42,56.73 100.1,56.73 100.23,56.6 100.23,55.93 100.15,55.85 98.6,55.85 98.4,55.65 98.4,54.88 98.6,54.68 100.1,54.68 100.7,55.28 100.7,57.55 100.48,57.78 98.88,57.78 98.3,58.35 98.3,59.48 98.08,59.7 97.45,59.7 97.33,59.58
NetC71_2 on Top Layer: 22.65,39 22.32,38.68 22.32,37.3 22.62,37 31.6,37 31.68,37.08 31.68,38.85 31.53,39
NetC71_2 on Signal Layer 4: 30.13,39.05 36.6,39.05 40.55,43 42.4,43 43.72,41.68 43.72,40.83 42.75,39.86 42.75,34.9 42.47,34.63 41.58,34.63 41.38,34.83 37.53,34.83 35.65,36.7 30.1,36.7 29.85,36.95 29.85,38.78
NetC87_2 on Top Layer: 112.53,35.6 112.68,35.75 116.25,35.75 116.85,35.15 116.85,32.75 116.58,32.48 115.67,32.48 115.3,32.1 115.3,30.65 114.77,30.13 112.75,30.13 112.53,30.35
NetC87_2 on Top Layer: 105.3,35.58 105.55,35.83 107.88,35.83 108.3,35.4 108.3,30.73 107.7,30.13 105.62,30.13 105.3,30.45
NetC87_2 on Signal Layer 4: 105.2,30.98 105.75,31.53 114.33,31.53 114.95,30.9 114.95,30.03 114.38,29.45 105.42,29.45 105.2,29.68
NetC160_1 on Top Layer: 17.47,14.58 17.47,13.85 17.05,13.43 17.05,10.9 17.42,10.53 23.3,10.53 23.77,11 23.78,13.3 23.3,13.78 20.27,13.78 19.92,13.43 19.92,12.75 19.8,12.63 18.97,12.63 18.85,12.75 18.85,14.63 18.75,14.73 17.62,14.73
NetC161_2 on Top Layer: 13.48,16.28 19.2,16.28 19.42,16.05 19.42,15.45 19.03,15.05 13.52,15.05 13.12,15.45 13.12,15.93
NetC161_2 on Signal Layer 4: 7.1,18.8 4.55,16.25 4.55,12.7 5.77,11.48 11.14,11.48 11.69,12.03 11.69,12.63 10.5,13.83 10.5,14.58 10.97,15.05 13.66,15.05 14.15,15.54 14.15,17.75 13.1,18.8
NetC221_2 on Bottom Layer: 110.4,17.75 111.38,17.75 112.02,17.1 112.02,12.1 111.58,11.65 110.37,11.65 110.1,11.93 110.1,13.03 109.52,13.6 109.52,15.85 110.25,16.58 110.25,17.6
NetC221_2 on Signal Layer 4: 117.9,6.5 116.3,4.9 113.28,4.9 111.43,6.75 111.46,8.91 110.62,9.75 110.62,14.18 111.3,14.85 115.6,14.85 117.9,12.55
NetC221_2 on Signal Layer 4: 108.95,16.93 107.63,18.25 107.63,22.85 106.45,24.03 106.45,24.8 107.42,25.78 112.62,25.78 115.43,28.58 115.43,31.1 115.97,31.65 116.88,31.65 117.35,31.18 117.35,22.78 111.5,16.92
NetD1_2 on Top Layer: 98.05,60.48 97.28,59.7 97.28,58.75 97.15,58.63 96.43,58.63 96.28,58.78 96.28,63.03 96.4,63.15 97.83,63.15 98.05,62.93
NetD2_1 on Top Layer: 86.37,65.05 86.37,61.48 86.52,61.33 87.38,61.33 87.5,61.2 87.5,60 87.58,59.93 90.58,59.93 90.98,60.33 90.98,62.75 88.53,65.2 86.52,65.2
NetL6_1 on Top Layer: 43.52,25.15 43.5,25.18 43.5,25.38 43.53,25.4 43.67,25.4 43.88,25.6 43.88,26 44.5,26.62 44.5,28.8 44.55,28.85 45.87,28.85 45.92,28.8 45.92,26.8 45.88,26.75 45.5,26.75 43.9,25.15
NetL7_1 on Top Layer: 38,24.98 37.52,24.98 36.97,25.53 36.97,26.27 36.7,26.55 34.75,26.55 34.57,26.38 34.57,25.48 34.72,25.33 36.12,25.33 36.67,24.78 38,24.78
NetL8_1 on Top Layer: 17.39,23.7 15.99,23.7 15.85,23.84 15.85,24.23 16.02,24.41 17.94,24.4 18.13,24.58 18.13,25.45 18.47,25.8 22.58,25.8 22.85,25.53 22.85,23.55 22.43,23.13 18.32,23.13 17.74,23.7
NetL9_1 on Top Layer: 43.52,23.55 43.5,23.58 43.5,23.78 43.52,23.8 43.8,23.8 44.95,24.95 45.87,24.95 45.93,24.9 45.92,22.9 45.88,22.85 45.12,22.85 44.42,23.55
NetL11_1 on Top Layer: 36.65,22.18 36.65,21.45 36.52,21.33 35.75,21.33 35.65,21.43 35.65,23.4 35.8,23.55 37.3,23.55 37.65,23.38 37.72,23.38 37.72,23.18 37.65,23.18
NetR140_2 on Top Layer: 38.65,22.53 38.92,22.53 38.92,21.7 37.97,20.75 37.97,20.18 37.92,20.13 37.02,20.13 36.95,20.2 36.95,20.83
PWR_ON_DB on Top Layer: 112.35,29.53 112.12,29.3 110.18,29.3 110.05,29.43 110.05,30.35 109.4,31 109.4,35.58 109.58,35.75 112.17,35.75 112.35,35.58
SNK_GDCS on Top Layer: 111.12,38.25 111.63,38.75 115.05,38.75 115.55,38.25 115.55,36.53 115.18,36.15 113.8,36.15 113.6,36.35 113.6,37.63 113.35,37.88 112.65,37.88 112.45,37.68 112.45,36.3 112.27,36.13 111.38,36.13 111.12,36.38
SRC_GDCS on Top Layer: 104,38.25 104.5,38.75 107.92,38.75 108.42,38.25 108.42,36.53 108.05,36.15 106.67,36.15 106.48,36.35 106.48,37.63 106.22,37.88 105.53,37.88 105.33,37.68 105.33,36.3 105.15,36.13 104.25,36.13 104,36.38
STLK_SWCLK on Top Layer (solid shape): 123.99,45.81 124.03,45.78 124.08,45.75 124.15,45.73 124.23,45.71 124.32,45.69 124.43,45.68 124.68,45.66 124.99,45.65 124.08,44.74 124.08,44.9 124.04,45.41 124.02,45.5 124,45.58 123.98,45.65 123.95,45.7 123.92,45.74
STLK_SWDIO on Top Layer (solid shape): 123.52,49.86 123.57,49.87 123.63,49.88 123.69,49.91 123.76,49.96 123.84,50.01 123.93,50.08 124.12,50.24 124.34,50.46 124.34,49.16 124.23,49.28 123.84,49.61 123.76,49.66 123.69,49.71 123.63,49.74 123.57,49.75 123.52,49.76
STM32G0_SWDIO on Bottom Layer (solid shape): 125.05,20.29 125.06,20.24 125.07,20.18 125.1,20.12 125.15,20.05 125.2,19.97 125.27,19.88 125.43,19.69 125.65,19.47 124.35,19.47 124.47,19.58 124.8,19.97 124.85,20.05 124.9,20.12 124.93,20.18 124.94,20.24 124.95,20.29
VH on Top Layer: 91.37,57.9 89.34,57.9 89.34,59.72 91.37,59.72
VH on Top Layer: 88.68,59.28 89.23,59.83 91.45,59.83 91.55,59.73 91.55,57.5 91.05,57 91.05,53 90.62,52.58 89.15,52.58 88.53,53.2 87.48,53.2 87.2,53.48 85.1,53.48 85,53.58 85,54.28 85.1,54.38 87.92,54.38 88.7,55.15 88.7,58.33 88.43,58.6 87.58,58.6 87.5,58.68 87.5,59.2 87.58,59.28
VL on Top Layer: 82.35,64.68 82.35,62 82.6,61.75 82.6,60.03 82.7,59.93 85.4,59.93 85.45,59.98 85.45,61.33 85.5,61.38 85.9,61.38 86.2,61.68 86.2,64.93 86,65.13 82.8,65.13

Small or netless copper shapes (teardrops, artwork), in the pictures only: 1153 on Top Layer, 536 on Bottom Layer, 26 on Signal Layer 1, 316 on Signal Layer 2, 4 on Signal Layer 3

## Text on the board
Bottom Layer: 6
Bottom Overlay: CPU | USER1 | USER2 | DDR | USB | GND | CORE | NC | VDD | BOOT2 | BOOT1 | BOOT0 | USB_STLINK | RESERVED | TAMPER | RESET | WAKE_UP | ETH1 | ETH2
M10-Bottom Stiffener: 2 | Layer | 1 | 3 | 4 | 5 | 6 | Name | Top Overlay | Top Solder | Top Layer | Dielectric 1 | Signal Layer 1 | Dielectric 2 | Signal Layer 2 | Dielectric 3 | Signal Layer 3 | Dielectric 4 | Signal Layer 4 | Dielectric5 | Bottom Layer | Bottom Solder | Bottom Overlay | 8 | 10 | 16 | 29 | 62 | 276 | 1438 | 1863 Total | 0.500mm (19.69mil) | 0.600mm (23.62mil) | 1.000mm (39.37mil) | 3.250mm (127.95mil) | 3.500mm (137.79mil) | 2.330mm (91.73mil) | 0.900mm (35.43mil) | 0.920mm (36.22mil) | 0.100mm (3.94mil) | 0.200mm (7.87mil) | 0.250mm (9.84mil) | Material | Solder Resist | = Routed Path Length + Tool Size = Slot length as defined in the PCB layout | = Calculated from tool start centre position to tool end centre position. | Thickness | 0.025mm | 0.027mm | 0.068mm | 0.033mm | 0.510mm | 0.215mm | PTH | NPTH | Round | Slot | Constant | 3.5 | Top Layer - Bottom Layer | Top Layer - Signal Layer 1 | Board Layer Stack | Pad | Via | Rounded | (Mixed) | r190_120h60_130r100m195_125 | c50hn100m105p-1 | r210_110h60_160r100m215_115 | r260_110h60_210r100m265_115 | c390h325m395 | c600h350 | c380h233 | v26h10m0 | v40h20m20 | 0.050mm (1.97mil) | Slot definitions : | Routed Path Length | Hole Length | Symbol | Count | Hole Size | Plated | Hole Type | Drill Layer Pair | Via/Pad | Pad Shape | Template | Hole Tolerance (+) | Hole Tolerance (-) | PCB SPECIFICATIONS : | A.   MATERIAL : | B.   MATERIAL FAMILY : | C.   SOLDERMASK COLOR : | D.   SILKSCREEN COLOR : | E.   SURFACE FINISH : | F.   IMPEDANCE CONTROL : | G.   THROUGH VIA : | H.   STACK-UP : | FR-4 | N/A | GREEN | X  WHITE | X  ENIG | HASL | NO | PLUG THE VIAS WHICH ARE COVERED WITH SOLDERMASK ONE OR TWO SIDE. | PLUG MATERIAL : | SEE LAYER STACK-UP SEQUENCE FOR OVERALL THICKNESS. | TG-170 | X  BLUE | YELLOW | IMMERSION SILVER | HASL (PB-FREE) | X  YES  (SEE IMPEDANCE TABLE FOR DETAIL INFORMATION) | X  SOLDERMASK | X  TG-150 | RED | BLACK | TG-140 | IMMERSION TIN | GOLDEN FINGER | NON-CONDUCTIVE EPOXY. | MINIMUN PARAMETERS | DEFAULT | TRACKS : 0.100mm / GAPS : 0.100mm | UNDER MPU | TRACKS : 0.090mm / GAPS : 0.080mm | UNDER DDR
Top Layer: 1
Top Overlay: PWR_IN | ETH2 | ETH1 | MB1635E | G | S | F | I | C | E | H | J
Signal Layer 1: 2
Signal Layer 2: 3
Signal Layer 3: 4
Signal Layer 4: 5
M7-Top Info: Raspberry shield standard max width is 65mm
